# Altium PCB RFFE-Ver1A.PcbDoc (part 6 of 7) (continued)
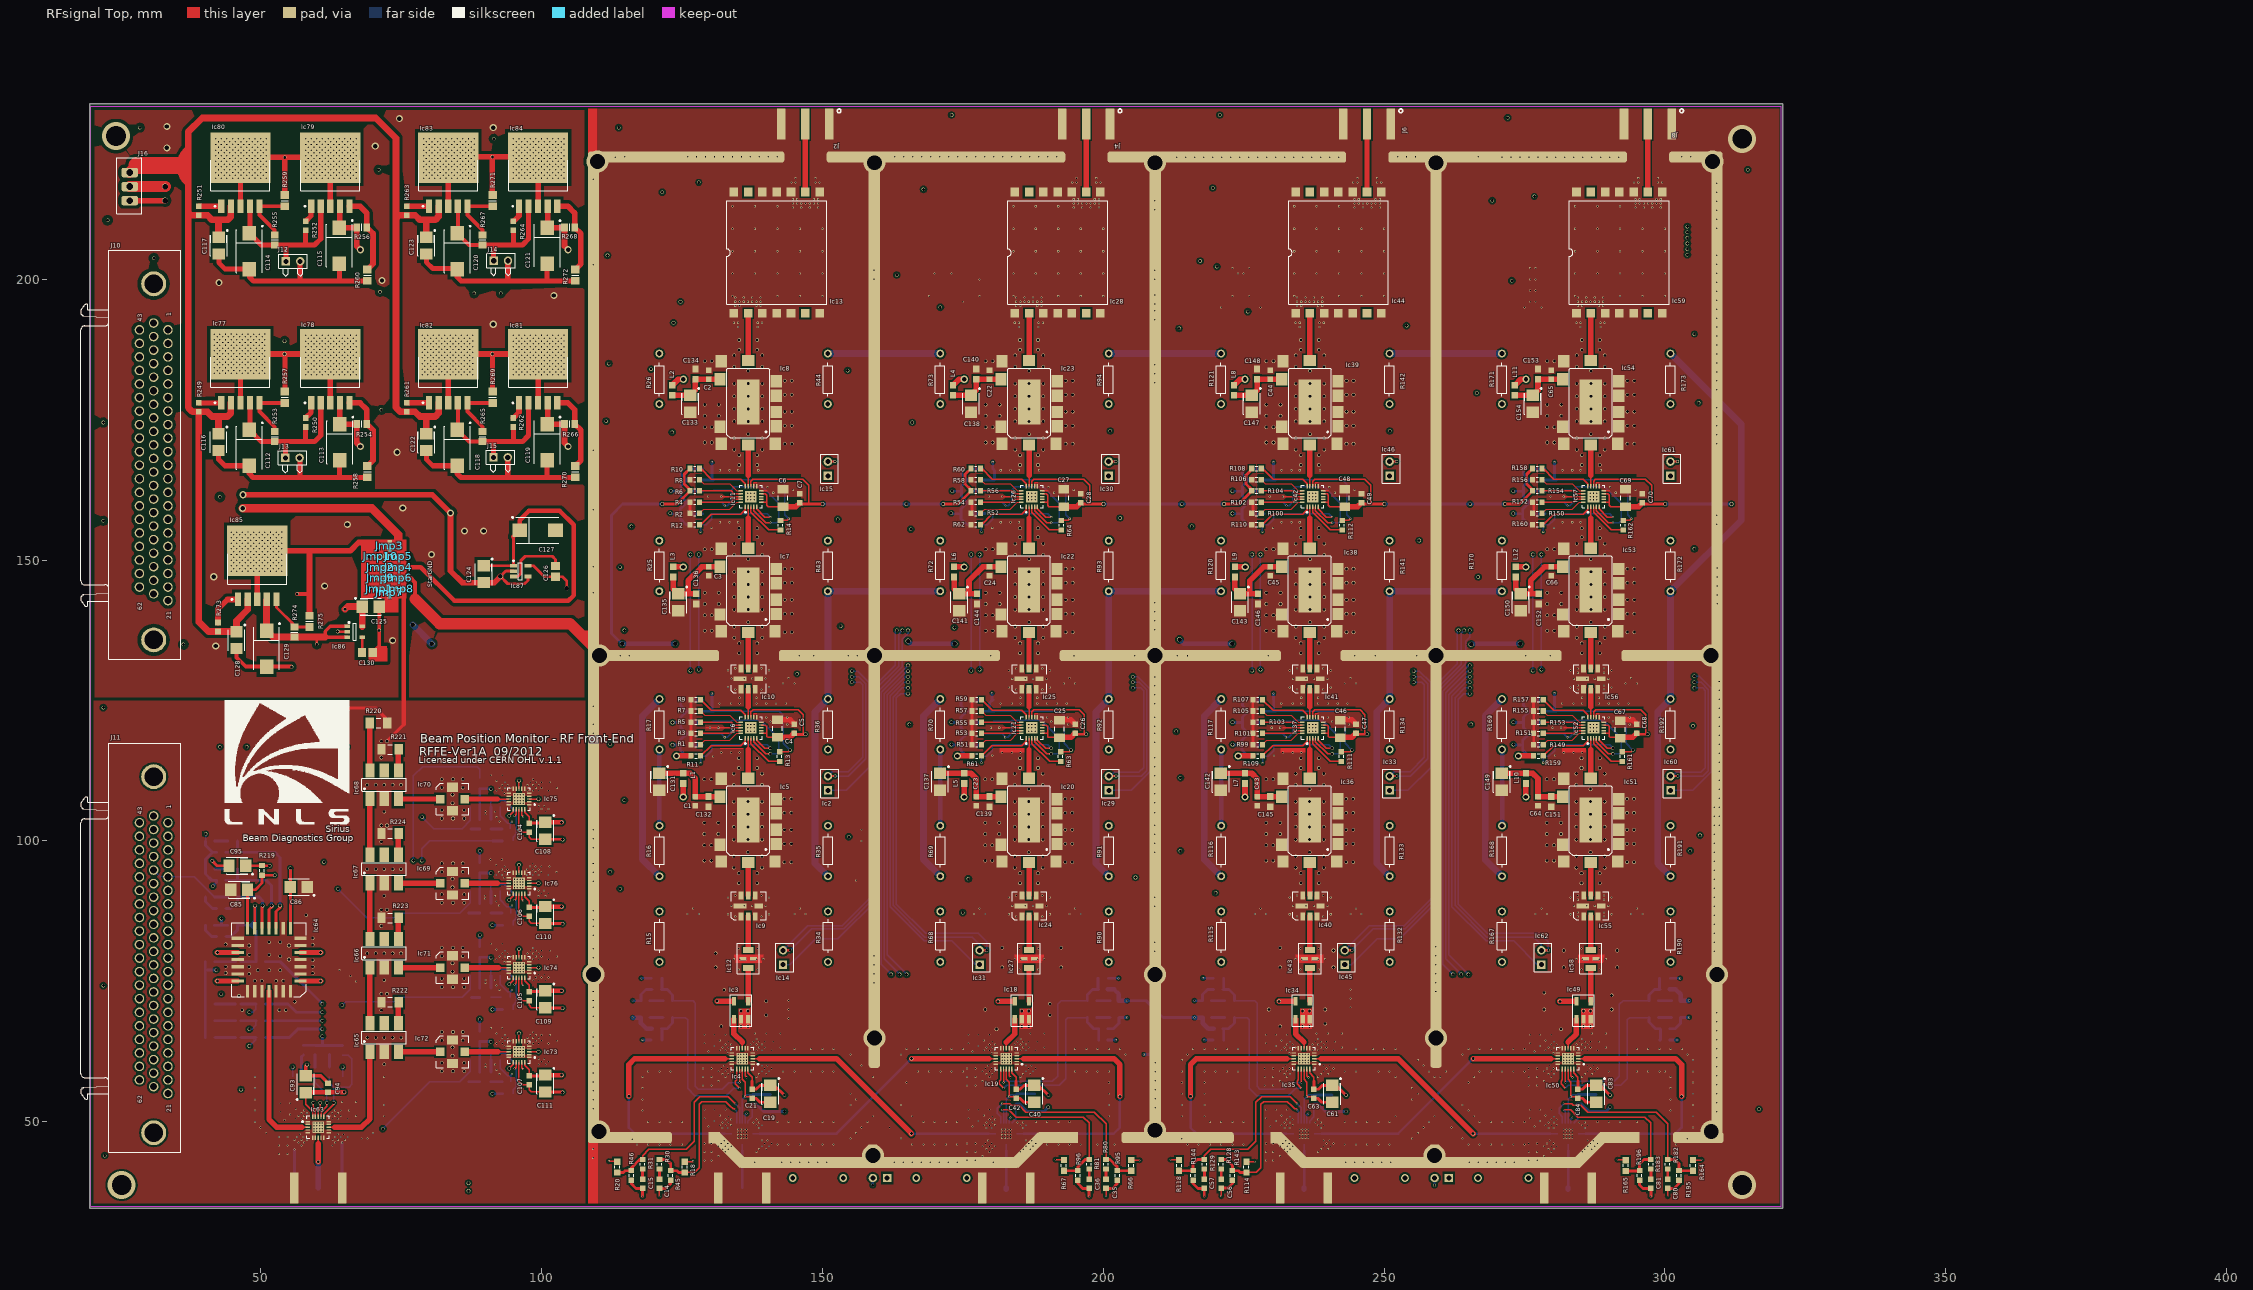
[diagram p0: RFsignal Top view]
## Nets (pads, with @x,y where several pads share a name; then routed paths per layer and width w, separated by ;. In a path a pad name is that pad's centre, name@x,y a point inside that pad or via, vN(x,y) a via of type N, cw(c..) or ccw(c..) an arc to the next point about the centre after c; other vN are vias at no path point) (continued)
  other v3: 129,43.15 130.25,43.15 175.75,43.15 177.25,43.15 229,43.15 230.25,43.15 275.75,43.15 277.25,43.15 131.5,43.9 178.5,43.9 231.5,43.9 278.5,43.9 129,44.65 130.25,44.65 132.75,44.65 138.25,44.65 175.75,44.65 177.25,44.65 179.75,44.65 185.25,44.65 229,44.65 230.25,44.65 232.75,44.65 238.25,44.65 275.75,44.65 277.25,44.65 279.75,44.65 285.25,44.65 132.25,45.15 133.25,45.15 138.75,45.15 140,45.15 179.25,45.15 180.25,45.15 185.75,45.15 187,45.15 232.25,45.15 233.25,45.15 238.75,45.15 240,45.15 279.25,45.15 280.25,45.15 285.75,45.15 287,45.15 131.5,45.65 132.75,45.65 133.75,45.65 139.25,45.65 140.5,45.65 178.5,45.65 179.75,45.65 180.75,45.65 186.25,45.65 187.5,45.65 231.5,45.65 232.75,45.65 233.75,45.65 239.25,45.65 240.5,45.65 278.5,45.65 279.75,45.65 280.75,45.65 286.25,45.65 287.5,45.65 129,46.15 130.25,46.15 132,46.15 133.15,46.15 139.75,46.15 141,46.15 175.75,46.15 177.25,46.15 179,46.15 180.15,46.15 186.75,46.15 188,46.15 229,46.15 230.25,46.15 232,46.15 233.15,46.15 239.75,46.15 241,46.15 275.75,46.15 277.25,46.15 279,46.15 280.15,46.15 286.75,46.15 288,46.15 132.5,46.65 139.25,46.65 140.25,46.65 179.5,46.65 186.25,46.65 187.25,46.65 232.5,46.65 239.25,46.65 240.25,46.65 279.5,46.65 286.25,46.65 287.25,46.65 135,47.15 135.5,47.15 136,47.15 136.5,47.15 182,47.15 182.5,47.15 183,47.15 183.5,47.15 235,47.15 235.5,47.15 236,47.15 236.5,47.15 282,47.15 282.5,47.15 283,47.15 283.5,47.15 135,47.65 135.5,47.65 136,47.65 136.5,47.65 182,47.65 182.5,47.65 183,47.65 183.5,47.65 235,47.65 235.5,47.65 236,47.65 236.5,47.65 282,47.65 282.5,47.65 283,47.65 283.5,47.65 135,48.15 135.5,48.15 136,48.15 136.5,48.15 182,48.15 182.5,48.15 183,48.15 183.5,48.15 235,48.15 235.5,48.15 236,48.15 236.5,48.15 282,48.15 282.5,48.15 283,48.15 283.5,48.15 135,48.65 135.5,48.65 136,48.65 136.5,48.65 182,48.65 182.5,48.65 183,48.65 183.5,48.65 235,48.65 235.5,48.65 236,48.65 236.5,48.65 282,48.65 282.5,48.65 283,48.65 283.5,48.65 132.25,48.9 133.15,48.9 138.75,48.9 179.25,48.9 180.15,48.9 185.75,48.9 232.25,48.9 233.15,48.9 238.75,48.9 279.25,48.9 280.15,48.9 285.75,48.9 129.75,49.15 176.75,49.15 229.75,49.15 276.75,49.15 131.75,49.4 132.75,49.4 138.25,49.4 139.25,49.4 178.75,49.4 179.75,49.4 185.25,49.4 186.25,49.4 231.75,49.4 232.75,49.4 238.25,49.4 239.25,49.4 278.75,49.4 279.75,49.4 285.25,49.4 286.25,49.4 133.75,49.425 180.75,49.425 233.75,49.425 280.75,49.425 132.25,49.9 133.25,49.9 137.75,49.9 138.75,49.9 179.25,49.9 180.25,49.9 184.75,49.9 185.75,49.9 232.25,49.9 233.25,49.9 237.75,49.9 238.75,49.9 279.25,49.9 280.25,49.9 284.75,49.9 285.75,49.9 130.75,50.15 177.75,50.15 230.75,50.15 277.75,50.15 132.75,50.4 133.75,50.4 138.25,50.4 179.75,50.4 180.75,50.4 232.75,50.4 233.75,50.4 238.25,50.4 279.75,50.4 280.75,50.4 129,50.65 176,50.65 229,50.65 276,50.65 133.25,50.9 180.25,50.9 233.25,50.9 280.25,50.9 131.75,51.15 178.75,51.15 231.75,51.15 278.75,51.15 129,52.15 130.75,52.15 132.75,52.15 176,52.15 177.75,52.15 179.75,52.15 229,52.15 230.75,52.15 232.75,52.15 276,52.15 277.75,52.15 279.75,52.15 128.75,56.5 130.25,56.5 175.75,56.5 177.25,56.5 228.75,56.5 230.25,56.5 275.75,56.5 277.25,56.5 131.5,57.25 178.5,57.25 231.5,57.25 278.5,57.25 128.75,58 130.25,58 132.75,58 138.25,58 175.75,58 177.25,58 179.75,58 185.25,58 228.75,58 230.25,58 232.75,58 238.25,58 275.75,58 277.25,58 279.75,58 285.25,58 132.25,58.5 133.25,58.5 138.75,58.5 140,58.5 179.25,58.5 180.25,58.5 185.75,58.5 187,58.5 232.25,58.5 233.25,58.5 238.75,58.5 240,58.5 279.25,58.5 280.25,58.5 285.75,58.5 287,58.5 131.5,59 132.75,59 133.75,59 139.25,59 140.5,59 178.5,59 179.75,59 180.75,59 186.25,59 187.5,59 231.5,59 232.75,59 233.75,59 239.25,59 240.5,59 278.5,59 279.75,59 280.75,59 286.25,59 287.5,59 128.75,59.5 130.25,59.5 132,59.5 133.15,59.5 139.75,59.5 141,59.5 175.75,59.5 177.25,59.5 179,59.5 180.15,59.5 186.75,59.5 188,59.5 228.75,59.5 230.25,59.5 232,59.5 233.15,59.5 239.75,59.5 241,59.5 275.75,59.5 277.25,59.5 279,59.5 280.15,59.5 286.75,59.5 288,59.5 132.5,60 139.25,60 140.25,60 179.5,60 186.25,60 187.25,60 232.5,60 239.25,60 240.25,60 279.5,60 286.25,60 287.25,60 135,60.5 135.5,60.5 136,60.5 136.5,60.5 182,60.5 182.5,60.5 183,60.5 183.5,60.5 235,60.5 235.5,60.5 236,60.5 236.5,60.5 282,60.5 282.5,60.5 283,60.5 283.5,60.5 135,61 135.5,61 136,61 136.5,61 182,61 182.5,61 183,61 183.5,61 235,61 235.5,61 236,61 236.5,61 282,61 282.5,61 283,61 283.5,61 135,61.5 135.5,61.5 136,61.5 136.5,61.5 182,61.5 182.5,61.5 183,61.5 183.5,61.5 235,61.5 235.5,61.5 236,61.5 236.5,61.5 282,61.5 282.5,61.5 283,61.5 283.5,61.5 135,62 135.5,62 136,62 136.5,62 182,62 182.5,62 183,62 183.5,62 235,62 235.5,62 236,62 236.5,62 282,62 282.5,62 283,62 283.5,62 133.15,62.25 180.15,62.25 233.15,62.25 280.15,62.25 129.75,62.5 176.75,62.5 229.75,62.5 276.75,62.5 131.75,62.75 132.75,62.75 137.25,62.75 138.25,62.75 139.25,62.75 141,62.75 178.75,62.75 179.75,62.75 184.25,62.75 185.25,62.75 186.25,62.75 188,62.75 231.75,62.75 232.75,62.75 237.25,62.75 238.25,62.75 239.25,62.75 241,62.75 278.75,62.75 279.75,62.75 284.25,62.75 285.25,62.75 286.25,62.75 288,62.75 133.75,62.775 180.75,62.775 233.75,62.775 280.75,62.775 132.25,63.25 133.25,63.25 134.225,63.25 137.75,63.25 138.75,63.25 139.75,63.25 142.5,63.25 179.25,63.25 180.25,63.25 181.225,63.25 184.75,63.25 185.75,63.25 186.75,63.25 189.5,63.25 232.25,63.25 233.25,63.25 234.225,63.25 237.75,63.25 238.75,63.25 239.75,63.25 242.5,63.25 279.25,63.25 280.25,63.25 281.225,63.25 284.75,63.25 285.75,63.25 286.75,63.25 289.5,63.25 130.75,63.5 177.75,63.5 230.75,63.5 277.75,63.5 132.75,63.75 133.75,63.75 137.25,63.75 138.25,63.75 139.25,63.75 179.75,63.75 180.75,63.75 184.25,63.75 185.25,63.75 186.25,63.75 232.75,63.75 233.75,63.75 237.25,63.75 238.25,63.75 239.25,63.75 279.75,63.75 280.75,63.75 284.25,63.75 285.25,63.75 286.25,63.75 129,64 176,64 229,64 276,64 133.25,64.25 137.75,64.25 138.75,64.25 139.75,64.25 141.25,64.25 180.25,64.25 184.75,64.25 185.75,64.25 186.75,64.25 188.25,64.25 233.25,64.25 237.75,64.25 238.75,64.25 239.75,64.25 241.25,64.25 280.25,64.25 284.75,64.25 285.75,64.25 286.75,64.25 288.25,64.25 131.75,64.5 178.75,64.5 231.75,64.5 278.75,64.5 138.25,64.75 185.25,64.75 238.25,64.75 285.25,64.75 129,65.5 130.75,65.5 132.75,65.5 176,65.5 177.75,65.5 179.75,65.5 229,65.5 230.75,65.5 232.75,65.5 276,65.5 277.75,65.5 279.75,65.5 138,65.75 140,65.75 142.5,65.75 187,65.75 189.5,65.75 238,65.75 240,65.75 242.5,65.75 287,65.75 289.5,65.75 135.15,77.115 138.4,77.115 185.15,77.115 188.4,77.115 235.15,77.115 238.4,77.115 285.15,77.115 288.4,77.115 134.25,78.965 139.5,78.965 184.25,78.965 189.5,78.965 234.25,78.965 239.5,78.965 284.25,78.965 289.5,78.965 135.31,78.985 138.31,78.985 185.31,78.985 188.31,78.985 235.31,78.985 238.31,78.985 285.31,78.985 288.31,78.985 135.15,80.865 138.4,80.865 185.15,80.865 188.4,80.865 235.15,80.865 238.4,80.865 285.15,80.865 288.4,80.865
  other v4: 134.5,86.55 139.15,86.55 184.5,86.55 189.15,86.55 234.5,86.55 239.15,86.55 284.5,86.55 289.15,86.55 133.2,86.95 140.5,86.95 183.2,86.95 190.5,86.95 233.2,86.95 240.5,86.95 283.2,86.95 290.5,86.95 284.5,87.3 289.15,87.3 133.8,88.45 136.1,88.45 137.5,88.45 139.9,88.45 183.8,88.45 186.1,88.45 187.5,88.45 189.9,88.45 233.8,88.45 236.1,88.45 237.5,88.45 239.9,88.45 283.8,88.45 286.1,88.45 287.5,88.45 289.9,88.45 284.5,89.55 289.15,89.55 133.2,89.95 140.5,89.95 183.2,89.95 190.5,89.95 233.2,89.95 240.5,89.95 283.2,89.95 290.5,89.95 134.5,90.3 139.15,90.3 184.5,90.3 189.15,90.3 234.5,90.3 239.15,90.3 284.5,90.3 289.15,90.3 130.55,115.05 180.25,115.25 230.41,115.25 280.46,115.25 132,115.75 133.75,115.75 135.25,115.75 182,115.75 183.75,115.75 185.25,115.75 232,115.75 233.75,115.75 235.25,115.75 282,115.75 283.75,115.75 285.25,115.75 136.706,119.57 137.29,119.57 137.874,119.57 186.706,119.57 187.29,119.57 187.874,119.57 236.706,119.57 237.29,119.57 237.874,119.57 286.706,119.57 287.29,119.57 287.874,119.57 130,120.15 131.5,120.15 136.706,120.154 137.29,120.154 137.874,120.154 180,120.15 181.5,120.15 186.706,120.154 187.29,120.154 187.874,120.154 230,120.15 231.5,120.15 236.706,120.154 237.29,120.154 237.874,120.154 280,120.15 281.5,120.15 286.706,120.154 287.29,120.154 287.874,120.154 136.706,120.738 137.29,120.738 137.874,120.738 186.706,120.738 187.29,120.738 187.874,120.738 236.706,120.738 237.29,120.738 237.874,120.738 286.706,120.738 287.29,120.738 287.874,120.738 143.75,120.75 193.75,120.75 243.75,120.75 293.75,120.75 140.75,121.25 190.75,121.25 240.75,121.25 290.75,121.25 140,122 143.75,122 190,122 193.75,122 240,122 243.75,122 290,122 293.75,122 131.7,124.5 133.75,124.5 135.25,124.5 138.25,124.5 140,124.5 141.75,124.5 143.5,124.5 181.7,124.5 183.75,124.5 185.25,124.5 188.25,124.5 190,124.5 191.75,124.5 193.5,124.5 231.7,124.5 233.75,124.5 235.25,124.5 238.25,124.5 240,124.5 241.75,124.5 243.5,124.5 281.7,124.5 283.75,124.5 285.25,124.5 288.25,124.5 290,124.5 291.75,124.5 293.5,124.5 135.25,125.5 138.25,125.5 185.25,125.5 188.25,125.5 235.25,125.5 238.25,125.5 285.25,125.5 288.25,125.5 184.5,126.95 189.15,126.95 234.5,126.95 239.15,126.95 284.5,126.95 289.15,126.95 134.5,127 139.15,127 183.2,127.35 190.5,127.35 233.2,127.35 240.5,127.35 283.2,127.35 290.5,127.35 133.2,127.4 140.5,127.4 284.5,127.7 289.15,127.7 183.8,128.85 186.1,128.85 187.5,128.85 189.9,128.85 233.8,128.85 236.1,128.85 237.5,128.85 239.9,128.85 283.8,128.85 286.1,128.85 287.5,128.85 289.9,128.85 133.8,128.9 136.1,128.9 137.5,128.9 139.9,128.9 284.5,129.95 289.15,129.95 183.2,130.35 190.5,130.35 233.2,130.35 240.5,130.35 283.2,130.35 290.5,130.35 133.2,130.4 140.5,130.4 184.5,130.7 189.15,130.7 234.5,130.7 239.15,130.7 284.5,130.7 289.15,130.7 134.5,130.75 139.15,130.75 130.25,155.75 180.25,155.75 230.25,155.75 280.25,155.75 131.75,156.75 133.5,156.75 135,156.75 181.75,156.75 183.5,156.75 185,156.75 231.75,156.75 233.5,156.75 235,156.75 281.75,156.75 283.5,156.75 285,156.75 136.7,160.732 137.284,160.732 137.868,160.732 186.7,160.732 187.284,160.732 187.868,160.732 236.7,160.732 237.284,160.732 237.868,160.732 286.7,160.732 287.284,160.732 287.868,160.732 136.7,161.316 137.284,161.316 137.868,161.316 186.7,161.316 187.284,161.316 187.868,161.316 236.7,161.316 237.284,161.316 237.868,161.316 286.7,161.316 287.284,161.316 287.868,161.316 129.65,161.35 179.65,161.35 229.65,161.35 279.65,161.35 136.7,161.9 137.284,161.9 137.868,161.9 186.7,161.9 187.284,161.9 187.868,161.9 236.7,161.9 237.284,161.9 237.868,161.9 286.7,161.9 287.284,161.9 287.868,161.9 141.25,162 191.25,162 241.25,162 291.25,162 144.75,162.5 194.75,162.5 244.75,162.5 294.75,162.5 140.25,163 190.25,163 240.25,163 290.25,163 131.75,166 133.5,166 135,166 138.6,166 181.75,166 183.5,166 185,166 188.6,166 231.75,166 233.5,166 235,166 238.6,166 281.75,166 283.5,166 285,166 288.6,166 135,191.5 138.5,191.5 185,191.5 188.5,191.5 235,191.5 238.5,191.5 285,191.5 288.5,191.5 134.25,192.25 135,192.25 138.5,192.25 139.25,192.25 184.25,192.25 185,192.25 188.5,192.25 189.25,192.25 234.25,192.25 235,192.25 238.5,192.25 239.25,192.25 284.25,192.25 285,192.25 288.5,192.25 289.25,192.25 134.5,195.25 135.25,195.25 138.25,195.25 139,195.25 184.5,195.25 185.25,195.25 188.25,195.25 189,195.25 234.5,195.25 235.25,195.25 238.25,195.25 239,195.25 284.5,195.25 285.25,195.25 288.25,195.25 289,195.25 134.5,196 135.25,196 136,196 136.75,196 137.5,196 138.25,196 139,196 184.5,196 185.25,196 186,196 186.75,196 187.5,196 188.25,196 189,196 234.5,196 235.25,196 236,196 236.75,196 237.5,196 238.25,196 239,196 284.5,196 285.25,196 286,196 286.75,196 287.5,196 288.25,196 289,196 134.5,196.75 136,196.75 137.5,196.75 139,196.75 184.5,196.75 186,196.75 187.5,196.75 189,196.75 234.5,196.75 236,196.75 237.5,196.75 239,196.75 284.5,196.75 286,196.75 287.5,196.75 289,196.75 134,197 142,197 146,197 150,197 184,197 192,197 196,197 200,197 234,197 242,197 246,197 250,197 284,197 292,197 296,197 300,197 134,201 138,201 142,201 146,201 150,201 184,201 188,201 192,201 196,201 200,201 234,201 238,201 242,201 246,201 250,201 284,201 288,201 292,201 296,201 300,201 134,205 138,205 142,205 146,205 150,205 184,205 188,205 192,205 196,205 200,205 234,205 238,205 242,205 246,205 250,205 284,205 288,205 292,205 296,205 300,205 134,209 138,209 142,209 146,209 150,209 184,209 188,209 192,209 196,209 200,209 234,209 238,209 242,209 246,209 250,209 284,209 288,209 292,209 296,209 300,209 144.75,212.75 146.25,212.75 147.75,212.75 149.25,212.75 194.75,212.75 196.25,212.75 197.75,212.75 199.25,212.75 244.75,212.75 246.25,212.75 247.75,212.75 249.25,212.75 294.75,212.75 296.25,212.75 297.75,212.75 299.25,212.75 134,213 138,213 142,213 184,213 188,213 192,213 234,213 238,213 242,213 284,213 288,213 292,213 144.75,213.5 145.5,213.5 146.25,213.5 147,213.5 147.75,213.5 148.5,213.5 149.25,213.5 194.75,213.5 195.5,213.5 196.25,213.5 197,213.5 197.75,213.5 198.5,213.5 199.25,213.5 244.75,213.5 245.5,213.5 246.25,213.5 247,213.5 247.75,213.5 248.5,213.5 249.25,213.5 294.75,213.5 295.5,213.5 296.25,213.5 297,213.5 297.75,213.5 298.5,213.5 299.25,213.5 144.75,214.25 145.5,214.25 148.5,214.25 149.25,214.25 194.75,214.25 195.5,214.25 198.5,214.25 199.25,214.25 244.75,214.25 245.5,214.25 248.5,214.25 249.25,214.25 294.75,214.25 295.5,214.25 298.5,214.25 299.25,214.25 144.5,217.25 145.25,217.25 148.75,217.25 149.5,217.25 194.5,217.25 195.25,217.25 198.75,217.25 199.5,217.25 244.5,217.25 245.25,217.25 248.75,217.25 249.5,217.25 294.5,217.25 295.25,217.25 298.75,217.25 299.5,217.25 145.25,218 148.75,218 195.25,218 198.75,218 245.25,218 248.75,218 295.25,218 298.75,218
  other v6: 159,44 259,44 110.25,48.25 308.25,48.25 209.25,48.5 159.25,64.9 259.25,64.9 109.25,76.25 209.25,76.25 309.25,76.25 110.3,133 159.25,133 209.25,133 259.25,133 308.2,133 159.25,220.75 209.25,220.75 259.25,220.75 110,221 308.5,221
  other v10: 25.254,38.75 313.75,38.75 313.75,225 24.25,225.5
TGND: J10.20 J10.34 J10.35 J10.41 J10.52 J10.53 J10.54 J10.55 J10.60 J10.63 J10.64 R15.1 R16.1 R17.1 R25.1 R26.1 R34.1 R35.1 R36.1 R43.1 R44.1 R49.1 R50.1 R68.1 R69.1 R70.1 R72.1 R73.1 R90.1 R91.1 R92.1 R93.1 R94.1 R115.1 R116.1 R117.1 R120.1 R121.1 R132.1 R133.1 R134.1 R141.1 R142.1 R147.1 R148.1 R167.1 R168.1 R169.1 R170.1 R171.1 R172.1 R173.1 R190.1 R191.1 R192.1 | length 1554.9
  Supply w1: R26.1@120.98,186.775 124.675,190.47 147.285,190.47 R44.1@150.98,186.775 ; R73.1@170.98,186.775 174.675,190.47 197.285,190.47 R94.1@200.98,186.775 ; R121.1@220.98,186.775 224.675,190.47 247.285,190.47 R142.1@250.98,186.775 ; R171.1@270.98,186.775 274.675,190.47 297.285,190.47 R173.1@300.98,186.775
  Supply w1.2: J10.60@28.42,150.03 26.47,150.03 25.5,149.06 25.5,138.2 27.89,135.81 J10.63@30.96,135.81 34.41,135.81 36.4,137.8 36.4,143.9 35.09,145.21 J10.20@33.5,145.21 ; R17.1@120.98,125.295 R17.1@121,125.275 ; R16.1@121,93.725 119.625,93.725 117.6,91.7 117.6,81.875 R15.1@121,78.475 126.325,78.475 129.392,75.408 144.508,75.408 147.575,78.475 R34.1@151,78.475 152.375,78.475 154.4,80.5 154.4,86.309 ; R43.1@150.98,144.475 158.7,152.195 158.7,183 154.925,186.775 R44.1@150.98,186.775 ; R35.1@151,93.725 152.175,93.725 154.4,91.5 154.4,86.309 ; R49.1@153.715,40 156.415,37.3 164.025,37.3 R50.1@166.725,40 ; 167.446,86.309 154.4,86.309 ; R69.1@171,93.725 169.625,93.725 167.6,91.7 167.6,81.875 R68.1@171,78.475 174.153,75.322 194.422,75.322 197.575,78.475 202.375,78.475 204.4,80.5 204.4,86.06 ; R70.1@171,125.275 R72.1@171,144.455 ; R93.1@200.98,144.475 208.7,152.195 208.7,179.055 R94.1@200.98,186.775 ; R91.1@201,93.725 202.175,93.725 204.4,91.5 204.4,86.06 ; 217.413,86.06 204.4,86.06 ; R117.1@220.98,125.295 R120.1@220.98,144.475 ; R116.1@221,93.725 219.625,93.725 217.6,91.7 217.6,81.875 R115.1@221,78.475 226.325,78.475 229.266,75.534 244.634,75.534 247.575,78.475 R132.1@251,78.475 252.375,78.475 254.4,80.5 254.4,85.962 ; R141.1@250.98,144.475 258.7,152.195 258.7,179.055 R142.1@250.98,186.775 ; R133.1@251,93.725 252.175,93.725 254.4,91.5 254.4,85.962 ; R147.1@253.715,40 256.515,37.2 263.925,37.2 R148.1@266.725,40 ; R170.1@270.98,144.475 271,144.455 R169.1@271,125.275 ; R168.1@271,93.725 269.625,93.725 267.6,91.7 267.6,85.962 ; R191.1@301,93.725 302.175,93.725 304.4,91.5 304.4,80.5 302.375,78.475 297.575,78.475 293.968,74.868 274.607,74.868 R167.1@271,78.475 267.6,81.875 267.6,85.962 ; 254.4,85.962 267.6,85.962
  Supply w2: R17.1@120.98,125.295 R25.1@120.98,144.475
  CallTone RF w1.2: J10.52@28.42,169.31 J10.53@28.42,166.9 J10.54@28.42,164.49 ; J10.41@30.96,146.415 32.165,145.21 J10.20@33.5,145.21 ; J10.54@28.42,164.49 J10.55@28.42,162.08 29.625,160.875 J10.35@30.96,160.875 J10.34@30.96,163.285 29.755,164.49 J10.54@28.42,164.49
  CallTone RF w2: J10.20@33.5,145.21 37.37,145.21 ; 118.572,144.624 118.572,164.228 125.832,171.488 125.832,176.964 122.183,180.613 122.183,185.572 R26.1@120.98,186.775
  CallTone RF w2.5: 37.37,145.21 43.312,139.268 67.946,139.268 69.407,140.729 109.447,140.729 113.193,144.475 R25.1@120.98,144.475
  Digital signal w1.2: J10.60@28.42,150.03 26.87,150.03 25.4,151.5 25.4,160.5 26.98,162.08 J10.55@28.42,162.08 ; J10.52@28.42,169.31 26.99,169.31 25.8,170.5 25.8,194.04 J10.64@30.96,199.2 ; R34.1@151,78.475 153.715,75.76 R49.1@153.715,40 ; R132.1@251,78.475 253.715,75.76 R147.1@253.715,40
  RFsignal Bottom w1.2: R16.1@121,93.725 118,96.725 118,122.275 R17.1@121,125.275 ; R43.1@150.98,144.475 R72.1@170.98,144.475 ; R44.1@150.98,186.775 R73.1@170.98,186.775 ; R35.1@151,93.725 148.7,96.025 148.7,122.975 R36.1@151,125.275 R43.1@151,144.455 ; R69.1@171,93.725 168,96.725 168,122.275 R70.1@171,125.275 ; R92.1@200.98,125.295 R93.1@200.98,144.475 R120.1@220.98,144.475 ; R94.1@200.98,186.775 R121.1@220.98,186.775 ; R91.1@201,93.725 198.7,96.025 198.7,122.975 R92.1@201,125.275 ; R116.1@221,93.725 218,96.725 218,122.275 R117.1@221,125.275 ; R141.1@250.98,144.475 R170.1@270.98,144.475 ; R142.1@250.98,186.775 R171.1@270.98,186.775 ; R133.1@251,93.725 248.7,96.025 248.7,122.975 R134.1@251,125.275 R141.1@251,144.455 ; R168.1@271,93.725 268,96.725 268,122.275 R169.1@271,125.275 ; R192.1@300.98,125.295 R172.1@300.98,144.475 313.6,157.095 313.6,174.155 R173.1@300.98,186.775 ; R191.1@301,93.725 298.7,96.025 298.7,122.975 R192.1@301,125.275
V-GND: C124.1 C127.1 Ic87.1 Jmp4.1 | length 71.1
  RFsignal Top w0.508: C124.1@89.7,149 Ic87.1@95,149 C127.1@95,154.2
  RFsignal Top w0.8: Jmp4.1@75.25,148.75 78.5,148.75 84.5,142.75 104.75,142.75 105.716,143.716 105.716,156.284 103.25,158.75 97.75,158.75 96.1,157.1 C127.1@96.1,155.3 C127.1@95,154.2
pads on no net: Ic5.13 Ic5.14 Ic5.15 Ic5.16 Ic5.17 Ic5.18 Ic5.19 Ic5.20 Ic6.7 Ic6.8 Ic7.13 Ic7.14 Ic7.15 Ic7.16 Ic7.17 Ic7.18 Ic7.19 Ic7.20 Ic8.13 Ic8.14 Ic8.15 Ic8.16 Ic8.17 Ic8.18 Ic8.19 Ic8.20 Ic11.7 Ic11.8 Ic13.6 Ic13.13 Ic20.13 Ic20.14 Ic20.15 Ic20.16 Ic20.17 Ic20.18 Ic20.19 Ic20.20 Ic21.7 Ic21.8 Ic22.13 Ic22.14 Ic22.15 Ic22.16 Ic22.17 Ic22.18 Ic22.19 Ic22.20 Ic23.13 Ic23.14 Ic23.15 Ic23.16 Ic23.17 Ic23.18 Ic23.19 Ic23.20 Ic26.7 Ic26.8 Ic28.6 Ic28.13 Ic36.13 Ic36.14 Ic36.15 Ic36.16 Ic36.17 Ic36.18 Ic36.19 Ic36.20 Ic37.7 Ic37.8 Ic38.13 Ic38.14 Ic38.15 Ic38.16 Ic38.17 Ic38.18 Ic38.19 Ic38.20 Ic39.13 Ic39.14 Ic39.15 Ic39.16 Ic39.17 Ic39.18 Ic39.19 Ic39.20 Ic42.7 Ic42.8 Ic44.6 Ic44.13 Ic51.13 Ic51.14 Ic51.15 Ic51.16 Ic51.17 Ic51.18 Ic51.19 Ic51.20 Ic52.7 Ic52.8 Ic53.13 Ic53.14 Ic53.15 Ic53.16 Ic53.17 Ic53.18 Ic53.19 Ic53.20 Ic54.13 Ic54.14 Ic54.15 Ic54.16 Ic54.17 Ic54.18 Ic54.19 Ic54.20 Ic57.7 Ic57.8 Ic59.6 Ic59.13 Ic65.5 Ic66.5 Ic67.5 Ic68.5 J10.36

## Polygon pours and split planes (outlines as drawn)
3VGND on RFsignal Top "Top Layer-No Net" (solid, pour order 109): 20.325,125 20.325,230.392 108.25,230.392 108.25,125.197 108.25,125 20.325,125
RFGND on RFsignal Top "Top Layer-No Net" (solid, pour order 140): 287.5,157.67 287.5,155 296.25,155 296.25,157.67 287.5,157.67
RFGND on RFsignal Top "Top Layer-No Net" (solid, pour order 105): 207.516,35.503 207.516,66.751 210.88,66.751 210.88,35.501 210.88,35.503 207.516,35.503
PGND on RFsignal Top "Top Layer-No Net" (solid, pour order 99): 87.25,125 87.25,52.5 107.3,52.5 107.8,52.5 107.8,125 87.25,125
PGND on RFsignal Top "Top Layer-No Net" (solid, pour order 171): 39.5,35.5 20.325,35.5 20.325,125 39.5,125 39.5,35.5
RFGND on RFsignal Top "Top Layer-No Net" (solid, pour order 165): 285.97,155 285.97,157.39 277.33,157.39 277.39,157.39 277.39,165.22 277.39,165.35 294.83,165.35 295,165.35 295,168.3 295,168.51 272.23,168.51 272.23,155.23 272.23,155 285.97,155
RFGND on RFsignal Top "Top Layer-No Net" (solid, pour order 166): 235.97,155 235.97,157.39 227.33,157.39 227.39,157.39 227.39,165.22 227.39,165.35 244.83,165.35 245,165.35 245,168.3 245,168.51 222.23,168.51 222.23,155.23 222.23,155 235.97,155
RFGND on RFsignal Top "Top Layer-No Net" (solid, pour order 167): 185.97,155 185.97,157.39 177.33,157.39 177.39,157.39 177.39,165.22 177.39,165.35 194.83,165.35 195,165.35 195,168.3 195,168.51 172.23,168.51 172.23,155.23 172.23,155 185.97,155
RFGND on RFsignal Top "Top Layer-No Net" (solid, pour order 168): 135.97,155 135.97,157.39 127.33,157.39 127.39,157.39 127.39,165.22 127.39,165.35 144.83,165.35 145,165.35 145,168.3 145,168.51 122.23,168.51 122.23,155.23 122.23,155 135.97,155
PGND on RFsignal Top "Top Layer-No Net" (solid, pour order 164): 39.5,57.75 39.5,35.5 108.062,35.5 107.81,35.5 107.81,52.5 87.609,52.5 87.609,57.75 39.5,57.75
PGND on RFsignal Top "Top Layer-No Net" (solid, pour order 163): 65,83.196 65,57.75 38.25,57.75 39.5,57.75 39.5,83.196 65,83.196
RFGND on RFsignal Top "Top Layer-No Net" (solid, remove dead copper, pour order 144): 288.167,162.76 288.167,163.91 290.533,163.91 297.278,163.91 297.278,161.326 297.278,161.302 295.145,161.302 289.762,161.302 289.762,162.194 289.762,162.32 288.79,162.32 288.728,162.32 288.728,162.762 288.728,162.758 288.165,162.758
RFGND on RFsignal Top "Top Layer-No Net" (solid, pour order 123): 276.64,162.32 276.64,160.32 284.75,160.32 284.5,160.32 284.5,162.32 276.64,162.32
RFGND on RFsignal Top "Top Layer-No Net" (solid, remove dead copper, pour order 145): 238.167,162.76 238.167,163.91 240.533,163.91 247.278,163.91 247.278,161.326 247.278,161.302 245.145,161.302 239.762,161.302 239.762,162.194 239.762,162.32 238.79,162.32 238.728,162.32 238.728,162.762 238.728,162.758 238.165,162.758
RFGND on RFsignal Top "Top Layer-No Net" (solid, pour order 141): 237.5,157.67 237.5,155 246.25,155 246.25,157.67 237.5,157.67
RFGND on RFsignal Top "Top Layer-No Net" (solid, pour order 125): 226.64,162.32 226.64,160.32 234.75,160.32 234.5,160.32 234.5,162.32 226.64,162.32
RFGND on RFsignal Top "Top Layer-No Net" (solid, remove dead copper, pour order 146): 188.167,162.76 188.167,163.91 190.533,163.91 197.278,163.91 197.278,161.326 197.278,161.302 195.145,161.302 189.762,161.302 189.762,162.194 189.762,162.32 188.79,162.32 188.728,162.32 188.728,162.762 188.728,162.758 188.165,162.758
RFGND on RFsignal Top "Top Layer-No Net" (solid, pour order 142): 187.5,157.67 187.5,154.67 196.25,154.67 196.25,157.67 187.5,157.67
RFGND on RFsignal Top "Top Layer-No Net" (solid, pour order 126): 176.64,162.32 176.64,160.32 184.75,160.32 184.5,160.32 184.5,162.32 176.64,162.32
RFGND on RFsignal Top "Top Layer-No Net" (solid, remove dead copper, pour order 147): 138.167,162.76 138.167,163.91 140.533,163.91 147.278,163.91 147.278,161.326 147.278,161.302 145.145,161.302 139.762,161.302 139.762,162.194 139.762,162.32 138.79,162.32 138.728,162.32 138.728,162.762 138.728,162.758 138.165,162.758
RFGND on RFsignal Top "Top Layer-No Net" (solid, pour order 143): 137.5,157.67 137.5,154.67 146.25,154.67 146.25,157.67 137.5,157.67
RFGND on RFsignal Top "Top Layer-No Net" (solid, pour order 127): 126.64,162.32 126.64,160.32 134.75,160.32 134.5,160.32 134.5,162.32 126.64,162.32
RFGND on RFsignal Top "Top Layer-No Net" (solid, pour order 136): 275,126.25 275,113.75 298.75,113.75 298.75,116.25 281.75,116.25 281.75,124.25 281.75,124 296.25,124 296.25,126.5 275,126.5 275,126.25
RFGND on RFsignal Top "Top Layer-No Net" (solid, remove dead copper, pour order 132): 288.667,121 288.667,121.6 288.165,121.6 288.165,123 288.165,123.1 296.6,123.1 296.6,120.3 296.6,120.2 290.525,120.2 290.374,120.2 290.374,121 288.667,121
RFGND on RFsignal Top "Top Layer-No Net" (solid, pour order 128): 276.64,121.15 276.64,119.15 284.75,119.15 284.5,119.15 284.5,121.15 276.64,121.15
RFGND on RFsignal Top "Top Layer-No Net" (solid, pour order 137): 225,126.25 225,113.75 248.75,113.75 248.75,116.25 231.75,116.25 231.75,124.25 231.75,124 246.25,124 246.25,126.5 225,126.5 225,126.25
RFGND on RFsignal Top "Top Layer-No Net" (solid, remove dead copper, pour order 133): 238.667,121 238.667,121.6 238.165,121.6 238.165,123 238.165,123.1 246.6,123.1 246.6,120.3 246.6,120.2 240.525,120.2 240.374,120.2 240.374,121 238.667,121
RFGND on RFsignal Top "Top Layer-No Net" (solid, pour order 129): 226.64,121.15 226.64,119.15 234.75,119.15 234.5,119.15 234.5,121.15 226.64,121.15
RFGND on RFsignal Top "Top Layer-No Net" (solid, pour order 138): 175,126.25 175,113.75 198.75,113.75 198.75,116.25 181.75,116.25 181.75,124.25 181.75,124 196.25,124 196.25,126.5 175,126.5 175,126.25
RFGND on RFsignal Top "Top Layer-No Net" (solid, remove dead copper, pour order 134): 188.667,121 188.667,121.6 188.165,121.6 188.165,123 188.165,123.1 196.6,123.1 196.6,120.3 196.6,120.2 190.525,120.2 190.374,120.2 190.374,121 188.667,121
RFGND on RFsignal Top "Top Layer-No Net" (solid, pour order 130): 176.64,121.15 176.64,119.15 184.75,119.15 184.5,119.15 184.5,121.15 176.64,121.15
RFGND on RFsignal Top "Top Layer-No Net" (solid, pour order 139): 125,126.25 125,113.75 148.75,113.75 148.75,116.25 131.75,116.25 131.75,124.25 131.75,124 146.25,124 146.25,126.5 125,126.5 125,126.25
RFGND on RFsignal Top "Top Layer-No Net" (solid, remove dead copper, pour order 135): 138.667,121 138.667,121.6 138.165,121.6 138.165,123 138.165,123.1 146.6,123.1 146.6,120.3 146.6,120.2 140.525,120.2 140.374,120.2 140.374,121 138.667,121
RFGND on RFsignal Top "Top Layer-No Net" (solid, pour order 131): 126.64,121.15 126.64,119.15 134.75,119.15 134.5,119.15 134.5,121.15 126.64,121.15
RFGND on RFsignal Top "Top Layer-No Net" (solid, remove dead copper, pour order 119): 126.75,188.75 126.75,167.5 145,167.5 145,188.75 126.75,188.75
RFGND on RFsignal Top "Top Layer-No Net" (solid, remove dead copper, pour order 120): 176.75,188.75 176.75,167.5 195,167.5 195,188.75 176.75,188.75
RFGND on RFsignal Top "Top Layer-No Net" (solid, remove dead copper, pour order 121): 226.75,188.75 226.75,167.5 245,167.5 245,188.75 226.75,188.75
RFGND on RFsignal Top "Top Layer-No Net" (solid, remove dead copper, pour order 122): 276.75,188.75 276.75,167.5 295,167.5 295,188.75 276.75,188.75
RFGND on RFsignal Top "Top Layer-No Net" (solid, remove dead copper, pour order 115): 276.75,155 276.75,133.75 295.031,133.75 296.25,133.75 296.25,155 276.75,155
RFGND on RFsignal Top "Top Layer-No Net" (solid, remove dead copper, pour order 116): 226.75,155 226.75,133.75 245.031,133.75 246.25,133.75 246.25,155 226.75,155
RFGND on RFsignal Top "Top Layer-No Net" (solid, remove dead copper, pour order 117): 176.75,155 176.75,133.75 195.031,133.75 196.25,133.75 196.25,155 176.75,155
RFGND on RFsignal Top "Top Layer-No Net" (solid, remove dead copper, pour order 118): 126.75,155 126.75,133.75 145.031,133.75 146.25,133.75 146.25,155 126.75,155
RFGND on RFsignal Top "Top Layer-No Net" (solid, remove dead copper, pour order 114): 276.75,113.75 295,113.75 295,93.75 276.75,93.75 276.75,113.75
RFGND on RFsignal Top "Top Layer-No Net" (solid, remove dead copper, pour order 110): 226.75,113.75 226.75,93.75 245,93.75 245,113.75 226.75,113.75